# KiCad board FPGA_Board_BA.kicad_pcb (continued)
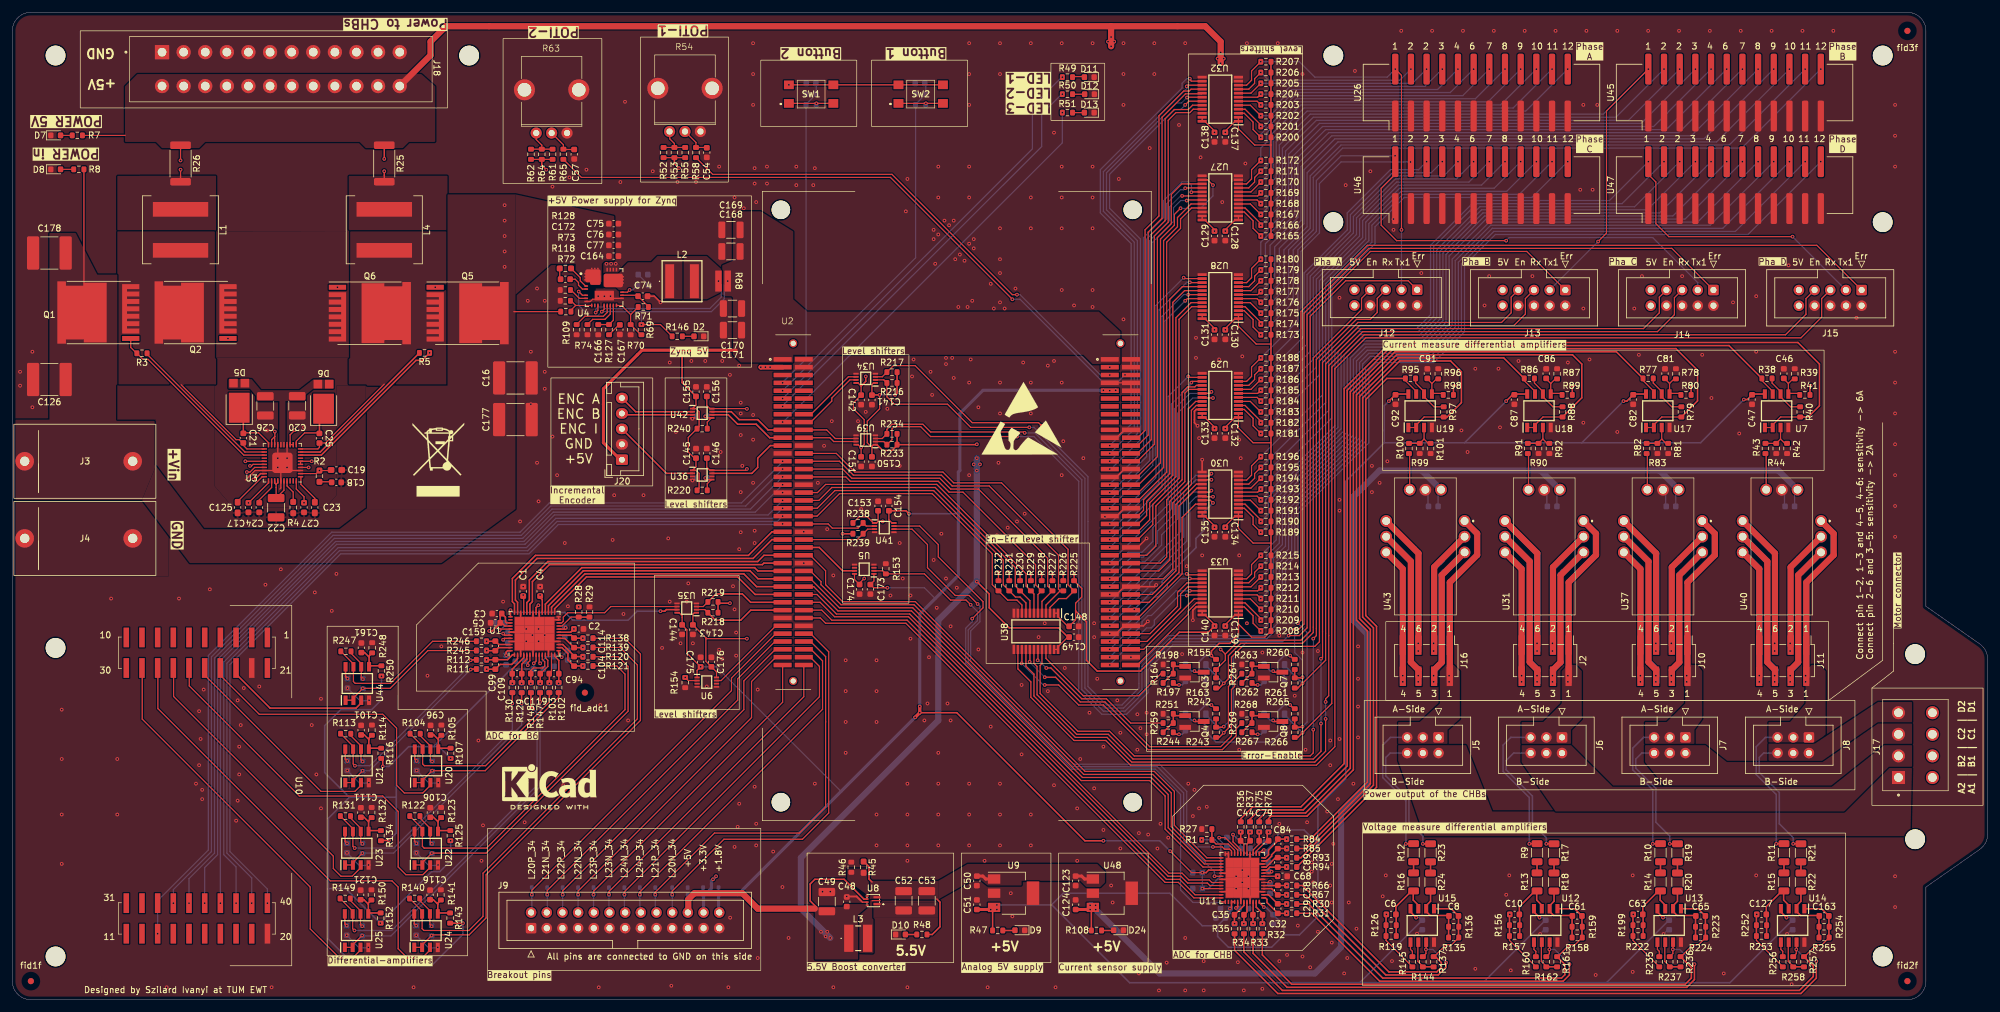
[diagram p0: board, top side]
## Nets (continued)
Net-(D5-A): C20.1 C26.1 D5.2 D6.2 U3.15 U3.16
Net-(D5-K): C21.1 D5.1 U3.20
Net-(D6-K): C25.1 D6.1 U3.11
Net-(D7-A): D7.2 R7.2
Net-(D8-A): D8.2 R8.2
Net-(D9-A): D9.2 R47.2
Net-(D10-A): D10.2 R48.2
Net-(D11-A): D11.2 R49.2
Net-(D12-A): D12.2 R50.2
Net-(D13-A): D13.2 R51.2
Net-(D24-A): D24.2 R108.2
Net-(D25-K): D25.1 R197.1
Net-(D26-K): D26.1 Q3.3
Net-(D27-K): D27.1 Q4.3
Net-(D28-K): D28.1 R244.1
Net-(D29-K): D29.1 Q7.3
Net-(D30-K): D30.1 R262.1
Net-(D31-K): D31.1 Q8.3
Net-(D32-K): D32.1 R267.1
Net-(L2-Pad1): L2.1 U4.20 U4.21 U4.22
Net-(Q3-G): Q3.1 R164.1 R197.2 R198.1
Net-(Q4-G): Q4.1 R244.2 R251.1 R259.1
Net-(Q7-G): Q7.1 R262.2 R263.1 R264.1
Net-(Q8-G): Q8.1 R267.2 R268.1 R269.1
Net-(R10-Pad2): R10.2 R14.1
Net-(R11-Pad2): R11.2 R15.1
Net-(R12-Pad2): R12.2 R16.1
Net-(R13-Pad1): R9.2 R13.1
Net-(R17-Pad2): R17.2 R18.1
Net-(R19-Pad2): R19.2 R20.1
Net-(R21-Pad2): R21.2 R22.1
Net-(R23-Pad2): R23.2 R24.1
Net-(R37-Pad2): R37.2 R38.1 U7.7
Net-(R52-Pad2): R52.2 R53.2 R54.1 R55.2
Net-(R56-Pad1): R56.1 SW1.1 SW1.2
Net-(R59-Pad1): R59.1 SW2.1 SW2.2
Net-(R61-Pad2): R61.2 R62.2 R63.1 R64.2
Net-(R76-Pad2): R76.2 R77.1 U17.7
Net-(R85-Pad2): R85.2 R86.1 U18.7
Net-(R94-Pad2): R94.2 R95.1 U19.7
Net-(R103-Pad2): R103.2 R104.1 U20.7
Net-(R112-Pad2): R112.2 R113.1 U21.7
Net-(R121-Pad2): R121.2 R122.1 U22.7
Net-(R130-Pad2): R130.2 R131.1 U23.7
Net-(R139-Pad2): R139.2 R140.1 U24.7
Net-(R144-Pad2): R67.2 R144.2 U15.7
Net-(R148-Pad2): R148.2 R149.1 U25.7
Net-(R162-Pad2): R31.2 R162.2 U12.7
Net-(R237-Pad2): R33.2 R237.2 U13.7
Net-(R246-Pad2): R246.2 R247.1 U44.7
Net-(R258-Pad2): R35.2 R258.2 U14.7
Net-(U1-Ain8+): R6.1 U1.48
Net-(U1-Ain8-): R110.1 U1.47
Net-(U1-REFOUT1): C12.2 U1.22
Net-(U1-REFOUT2): C13.2 U1.9
Net-(U1-REFOUT3): C14.2 U1.6
Net-(U1-REFOUT4): C15.2 U1.45
Net-(U1-~{SDR}/DDR): R28.1 R29.1 U1.23
Net-(U3-HO1): R3.2 U3.22
Net-(U3-HO2): R5.2 U3.9
Net-(U3-RES): C24.1 U3.32
Net-(U3-RT): R4.2 U3.37
Net-(U3-SS1): C125.1 U3.30
Net-(U3-SS2): C23.1 U3.1
Net-(U4-CONFIG): R109.2 U4.13
Net-(U4-En/UVLO): R72.2 R118.2 U4.9
Net-(U4-EXTCOMP): C166.2 R127.2 U4.15
Net-(U4-ISNS+): L2.2 R68.1 U4.11
Net-(U4-PG/SYNCOUT): R73.2 U4.7
Net-(U4-RT): R74.2 U4.14
Net-(U4-VCC): R117.1 U4.19
Net-(U4-VDDA): C74.1 R71.2 U4.18
Net-(U7A-+): R42.1 R43.2 R44.1 U7.3
Net-(U7A--): R36.2 R40.2 U7.1 U7.2
Net-(U7B-+): C46.1 R39.2 R41.1 U7.5
Net-(U7B--): R38.2 R40.1 U7.6
Net-(U8-FB): R45.2 R46.1 U8.4
Net-(U8-SW): L3.2 U8.2
Net-(U11-REFOUT1): C69.2 U11.22
Net-(U11-REFOUT2): C70.2 U11.9
Net-(U11-REFOUT3): C71.2 U11.6
Net-(U11-REFOUT4): C72.2 U11.45
Net-(U11-~{SDR}/DDR): R1.1 R27.1 U11.23
Net-(U12A-+): C10.1 R13.2 R156.1 R157.1 U12.3
Net-(U12A--): C61.1 R18.2 R158.1 R159.1 U12.2
Net-(U12B-+): R160.2 U12.5
Net-(U12B--): R161.2 R162.1 U12.6
Net-(U13A-+): C63.1 R14.2 R199.1 R222.1 U13.3
Net-(U13A--): C65.1 R20.2 R223.1 R224.1 U13.2
Net-(U13B-+): R235.2 U13.5
Net-(U13B--): R236.2 R237.1 U13.6
Net-(U14A-+): C127.1 R15.2 R252.1 R253.1 U14.3
Net-(U14A--): C163.1 R22.2 R254.1 R255.1 U14.2
Net-(U14B-+): R256.2 U14.5
Net-(U14B--): R257.2 R258.1 U14.6
Net-(U15A-+): C6.1 R16.2 R119.1 R126.1 U15.3
Net-(U15A--): C8.1 R24.2 R135.1 R136.1 U15.2
Net-(U15B-+): R145.2 U15.5
Net-(U15B--): R137.2 R144.1 U15.6
Net-(U17A-+): R81.1 R82.2 R83.1 U17.3
Net-(U17A--): R75.2 R79.2 U17.1 U17.2
Net-(U17B-+): C81.1 R78.2 R80.1 U17.5
Net-(U17B--): R77.2 R79.1 U17.6
Net-(U18A-+): R90.1 R91.2 R92.1 U18.3
Net-(U18A--): R84.2 R88.2 U18.1 U18.2
Net-(U18B-+): C86.1 R87.2 R89.1 U18.5
Net-(U18B--): R86.2 R88.1 U18.6
Net-(U19A-+): R99.1 R100.2 R101.1 U19.3
Net-(U19A--): R93.2 R97.2 U19.1 U19.2
Net-(U19B-+): C91.1 R96.2 R98.1 U19.5
Net-(U19B--): R95.2 R97.1 U19.6
Net-(U20A--): R102.2 R106.2 U20.1 U20.2
Net-(U20B-+): C96.1 R105.2 R107.1 U20.5
Net-(U20B--): R104.2 R106.1 U20.6
Net-(U21A--): R111.2 R115.2 U21.1 U21.2
Net-(U21B-+): C101.1 R114.2 R116.1 U21.5
Net-(U21B--): R113.2 R115.1 U21.6
Net-(U22A--): R120.2 R124.2 U22.1 U22.2
Net-(U22B-+): C106.1 R123.2 R125.1 U22.5
Net-(U22B--): R122.2 R124.1 U22.6
Net-(U23A--): R129.2 R133.2 U23.1 U23.2
Net-(U23B-+): C111.1 R132.2 R134.1 U23.5
Net-(U23B--): R131.2 R133.1 U23.6
Net-(U24A--): R138.2 R142.2 U24.1 U24.2
Net-(U24B-+): C116.1 R141.2 R143.1 U24.5
Net-(U24B--): R140.2 R142.1 U24.6
Net-(U25A--): R147.2 R151.2 U25.1 U25.2
Net-(U25B-+): C121.1 R150.2 R152.1 U25.5
Net-(U25B--): R149.2 R151.1 U25.6
Net-(U36-DIR): R220.2 R221.2 U36.5
Net-(U42-DIR): R240.2 R241.2 U42.5
Net-(U44A--): R245.2 R249.2 U44.1 U44.2
Net-(U44B-+): C161.1 R248.2 R250.1 U44.5
Net-(U44B--): R247.2 R249.1 U44.6

Pads without a net: U1 42; U2 81 82 a5 a6 a8 a10 a12 a14 a15 a49 b11 b12 b13 b14 b15 b16 b17 b18 b19 b51; U3 7 24 38 39; U4 10; U5 3 6; U6 3 6; U10 1 2 3 4 5 6 7 8 9 10 11 12 14 15 16 17 18 19 21 30 31 32 33; U11 42

## Via types
v1: diameter 0.6, hole 0.3, Top to Bottom, 1066 vias

## Routing (per net, layer and track width the routed paths; a pad name or vN(x,y) marks a point on that pad's centre or on a via; arc(x,y) is an arc through that point)
+1V8: length 315.6
  Top w0.2: 142,79.14 142,77.75 142.5,77.25 U41.8 ; v1(141.75,66.75) 139.52,66.75 C173.2 139.57,67.85 U5.1 ; C144.1 108.5,60.71 109.28,59.94 109.28,56.16 v1(111.5,53.94) 110.92,53.36 110.92,52.21 ; U1.37 82.85,65.29 C1.1 ; U11.37 192.78,17.99 v1(192.77,18) ; 108.5,60.82 108.5,62.21 108,62.71 U35.8 ; v1(192.77,20.58) 191.05,20.58 v1(187.57,24.07)
  Top w0.25: v1(147,46.5) 153,46.5 173.75,25.75 v1(176.75,25.75) ; 85.27,65.39 85.85,64.81 U1.31 ; v1(145.25,78.75) 144.77,79.23 C154.1 ; v1(192.77,20.58) 193.38,20.58 193.79,20.99 U11.31
  Top w0.5: v1(146.25,45.75) v1(147,46.5) v1(147,47.5)
  In2.Cu w0.2: v1(85.5,65.58) v1(82.75,65.58)
  In2.Cu w0.25: v1(111.5,53.94) 109.31,53.94 99.6,63.65 v1(91.75,63.65) 91.75,63.75 89.92,65.58 v1(85.5,65.58)
  Bottom w0.2: v1(192.77,18) 192.77,19.77 192.77,19.77 v1(192.77,20.58) ; v1(111.5,53.94) 114.06,53.94 134.25,33.75 ; 149.5,65 147.75,66.75 v1(141.75,66.75) ; 114.41,14.24 J9.26
  Bottom w0.25: v1(187.57,24.07) 185.89,25.75 v1(176.75,25.75) ; v1(145.25,78.75) 153.25,78.75 ; v1(192.77,18) 193.75,18 195.75,20 195.75,25 194.85,25.9 v1(192.68,25.9)
  Bottom w0.5: v1(178.74,98.75) 157.25,98.75 153.5,95 153.5,85.75 153.25,85.5 153.25,68.75 147,62.5 v1(147,46.5) 117.52,17.02 D4.1 114.41,14.24
  vias: v1(176.75,98.75) v1(177.79,98.69)
+3.3V: length 497.5
  Top w0.2: v1(119,86) 118.78,85.78 U36.8 113,85.78 112.5,86.28 112.5,87.67 ; 112.5,97.67 112.5,96.28 113,95.78 U42.8 118.97,95.78 v1(119,95.75) ; 137.5,98.05 137.5,99.44 137,99.94 U34.8 ; R230.1 v1(163.25,69) ; v1(141,77.5) 140.25,77.5 140.25,77.5 ; R229.1 v1(165,69) ; U6.8 114.08,53.11 C176.1 112.35,54.83 112.35,58.63 ; U29.23 U29.24 193.17,94.35 194.75,92.77 194.75,92.64 ; U27.23 U27.24 193.17,126.35 194.75,124.77 194.75,124.64 ; R227.1 v1(168.5,69) ; R232.1 v1(159.75,69.25) ; U39.8 137,89.94 137.5,89.44 ; v1(138,68.25) 137.25,67.5 C174.1 136.43,68.1 136.43,69 ; v1(119,58.5) 112.48,58.5 112.35,58.63 ; 140.25,77.5 140.25,79.14 ; 140.25,77.5 140,77.25 U41.1 139.5,77.25 138.5,78.25 137.17,78.25 R238.1 ; 194.75,76.64 194.75,76.77 193.17,78.35 U30.24 U30.23 ; 194.75,108.64 194.75,108.77 193.17,110.35 U28.24 U28.23 ; 194.75,140.64 194.75,140.77 193.17,142.35 U32.24 U32.23 ; v1(125.8,148.25) SW1.4 SW2.3 SW2.4 ; R226.1 v1(170.25,69) ; U38.2 U38.1 169.4,62.08 170.98,60.5 171.11,60.5 ; 110.25,60.82 110.25,62.46 110.5,62.71 U35.1 ; C142.1 136.25,96.72 136.25,95.75 138,94 138,90 v1(137.5,89.5) 137.5,89.44 ; 112.35,58.63 C143.2 ; C148.2 172.25,61.55 172.25,64.25 173.25,65.25 173.25,66.65 R225.1 v1(172,69) ; R228.1 v1(166.75,69) ; 137.5,89.44 137.5,88.05 ; 194.75,60.64 194.75,60.77 193.17,62.35 U33.24 U33.23 ; R231.1 v1(161.5,69.25)
  Top w0.25: v1(134.5,75.5) 134.5,75.5 R239.1 ; R218.1 R219.1 114.53,64.25 v1(116.25,64.25) ; v1(138.25,101) 138.25,100.19 137.5,99.44 ; v1(194.75,60.55) 193.75,59.55 189.05,59.55 182.75,53.25 175.75,53.25 174,55 174,61.25 172.25,63
  Top w0.75: U2.a3 121.26,102.5 v1(121.25,102.5)
  In2.Cu w0.2: v1(137.5,89.5) 141,86 v1(141,77.5) 141,75 139,73 139,71 ; 139,71 v1(134.5,75.5) ; 139,71 139,69.25 ; v1(138,68.25) 139,69.25 ; 139,69.25 v1(159.75,69.25) v1(161.5,69.25) 161.75,69 v1(172,69)
  In2.Cu w0.25: v1(138.25,101) 138.25,101.5 137.25,102.5 v1(122.75,102.5) ; 195.5,77.25 195.5,61.3 v1(194.75,60.55) ; 195.5,77.25 195.5,93.3 ; 195.5,77.25 194.75,76.5 v1(194.75,76.55) ; v1(194.75,140.55) 195.25,140.05 195.25,131.25 194.75,130.75 v1(194.75,124.55) v1(194.75,108.55) 194.75,102.5 ; 194.75,102.5 194.75,102.5 v1(177.79,102.5) ; 194.75,102.5 194.75,101.25 195.5,100.5 195.5,93.3 ; 119,64.25 v1(116.25,64.25) ; 195.5,93.3 v1(194.75,92.55) ; v1(121.25,102.5) 121.25,143.7 v1(125.8,148.25)
  In2.Cu w0.5: v1(122.75,102.5) v1(121.25,102.5) 121,102.5 119,100.5 v1(119,95.75) v1(119,86) v1(119,58.5) 119,25 v1(114,20) v1(113.5,19.5)
  Bottom w0.5: v1(114,20) v1(113.5,19.5) 113.25,19.25 113.25,18.06 112.21,17.02 D3.1 111.98,16.95 J9.24
  vias: v1(122,102.5)
+5V: length 975.6
  Top w0.2: v1(48.5,87.25) U3.6 U3.5 ; U34.1 139.5,99.94 139.25,99.69 139.25,98.05 ; U32.1 U32.2 ; U32.1 198.08,142.35 196.5,140.77 196.5,140.64 ; U32.1 198.63,141.12 201.25,138.5 203.9,138.5 ; 139.25,89.5 139.25,89.69 139.5,89.94 U39.1 ; 139.25,89.5 138.5,90.25 138.5,93.75 140.5,95.75 v1(140.5,98) ; 139.25,89.5 139.25,88.05 ; U30.1 198.63,76.37 201,74 203.9,74 ; U30.1 198.08,78.35 196.5,76.77 196.5,76.64 ; U30.1 U30.2 ; 196.5,108.64 196.5,108.77 198.08,110.35 U28.1 ; U38.23 U38.24 169.4,57.17 170.98,58.75 171.11,58.75 ; R7.1 18.27,140.06 ; 196.5,124.64 196.5,124.77 198.08,126.35 U27.1 U27.2 ; 203.9,90.25 201,90.25 198.63,92.62 U29.1 ; U29.1 U29.2 ; U29.1 198.08,94.35 196.5,92.77 196.5,92.64 ; v1(38.5,86.5) 38.75,86.5 39,86.75 U3.26 ; U28.1 198.63,109.12 201.5,106.25 203.9,106.25 ; U28.1 U28.2 ; 196.5,60.64 196.5,60.77 198.08,62.35 U33.1 ; U33.1 U33.2 ; U33.1 198.63,60.87 200.75,58.75 202.9,58.75 R208.1 203.9,59.6 ; v1(27.25,136) R26.1
  Top w0.25: v1(143,98) 143.32,98.33 R216.1 R217.1 ; 198.63,60.87 198.63,59.13 197.25,57.75 195.5,57.75 194.25,56.5 v1(194.25,55.75) 194.85,55.15 R155.1 ; R165.1 R172.1 R200.1 R207.1 ; v1(156.25,67.75) 158.25,65.75 158.25,63.5 161.5,60.25 169.5,60.25 171,58.75 C149.1 ; v1(140.5,98) 139.28,98 C141.2 ; R208.1 R215.1 R189.1 R196.1 R181.1 R188.1 R173.1 R180.1 ; v1(156.25,90) 156.19,89.94 R233.1 ; v1(207,47.75) 207.6,47.15 R265.1 ; R233.1 143.32,89.83 142.5,89 141,89 140.06,89.94 U39.1 ; R233.1 R234.1 ; R25.1 v1(60.25,136.25) ; v1(194.25,47.75) 194.85,47.15 R242.1 ; R260.1 207.6,55.15 v1(207,55.75) ; U8.5 137.95,16.3 134.75,19.5 130,19.5 129.25,18.75 129.25,16 130.25,15
  Top w1: J18.24 67.75,153.05 67.75,155.25 70.25,157.75 178,157.75 ; 178,157.75 v1(178,154.5) ; 178,157.75 193.25,157.75 195.75,155.25 v1(195.75,151.75) ; 130,14.75 120.75,14.75 118.25,17.25 110.5,17.25 109.5,16.25 109.5,14.19 109.44,14.13
  In2.Cu w0.2: v1(27.25,136) 27.75,135.5 28.82,135.5 33.48,130.84 33.5,88.75 33.5,88.5 35.5,86.5 v1(38.5,86.5) ; v1(48.5,87.25) 52.5,87.25 54,88.75 54,132.75 56.75,135.5 59.5,135.5 v1(60.25,136.25)
  In2.Cu w0.5: 196.5,106 v1(196.5,92.55) v1(196.5,76.55) v1(196.5,60.55)
  In2.Cu w1: 262.75,110.04 263,110.04 J14.10 J14.9 ; 262.75,110.04 287,110.04 J15.10 J15.9 ; 262.75,110.04 239,110.04 ; J12.10 214.96,110.04 239,110.04 ; J12.10 J12.9 ; J12.10 210.92,106 196.5,106 v1(196.5,108.55) v1(196.5,124.55) 196.5,126.75 197.5,127.75 197.5,135.5 196.5,136.5 v1(196.5,140.55) 196.5,141.38 195.75,142.12 v1(195.75,153.5) ; v1(178,156) 178,135.75 173.5,131.25 173.5,110.5 156.25,93.25 v1(156.25,90) v1(156.25,87.75) v1(156.25,85.75) ; 239,110.04 J13.10 J13.9
  Bottom w0.2: 109.44,14.13 109.41,14.16 D1.1
  Bottom w0.25: 193.25,47.75 v1(194.25,47.75) ; 193.25,47.75 192.25,46.75 192.25,45.5 193.35,44.4 D28.2 193.35,43.4 195,41.75 204,41.75 205.98,43.72 D32.2 206.1,44.4 205,45.5 205,46.75 206,47.75 ; 193.25,47.75 193.35,47.85 D25.2 193.35,52.4 192.25,53.5 192.25,54.75 193.25,55.75 v1(194.25,55.75) ; v1(143,98) v1(140.5,98) ; 206,47.75 v1(207,47.75) ; 206,47.75 206.1,47.85 D30.2 206.1,52.4 205,53.5 205,54.75 206,55.75 v1(207,55.75)
  Bottom w1: v1(132.5,10) 127.75,14.75 127.75,23 150,45.25 150,61.5 v1(156.25,67.75) v1(156.25,87.75)
  vias: v1(131,11) v1(131.75,10.25) v1(132,11) v1(155.75,86.75) v1(156.75,86.75) v1(177.5,155.25) v1(178.5,155.25) v1(195.25,152.5) v1(196.25,152.5)
+5V_Zynq: length 105.4
  Top w0.2: v1(95.5,111.5) 95.86,111.86 U4.12 ; 110.92,82.53 111.25,82.86 111.25,85.28 110.75,85.78 U36.1 110.75,86.36 110.75,87.67 ; C145.2 110.49,87.76 109.5,88.75 109.5,91.11 111.25,92.86 111.25,95.28 110.75,95.78 U42.1 110.75,96.36 110.75,97.67 ; v1(91.75,114.75) 92.35,114.15 U4.6 ; R146.1 104.99,109.4 v1(101.91,109.4)
  Top w0.25: 108.5,105.25 108.5,100 110.74,97.76 C155.2
  Top w0.5: J20.1 98.5,87.5 95.75,90.25 95.75,99 102,105.25 117.25,105.25
  Bottom w0.2: 101.75,111.5 101.91,111.34 v1(101.91,109.4) ; 101.75,111.5 v1(95.5,111.5) 94.75,110.75 93.5,110.75 91.75,112.5 v1(91.75,114.75) ; 101.75,111.5 113.25,111.5 115.35,113.6 115.35,115.85 115.89,116.39 v1(115.89,116.45)
+5VA: length 924.8
  Top w0.2: U11.15 202.01,23.73 202.52,24.25 v1(202.75,24.25) ; 84.02,136.18 87.52,136.18 ; U11.21 199.01,24.32 197.75,25.58 v1(197.75,26.75) ; R55.1 R52.1
  Top w0.25: v1(247.41,13.3) 246.5,14.21 U12.4 ; v1(261,97) 261.55,97 C82.1 262.69,98.14 264.66,98.14 ; v1(280.5,97.25) 281.05,97.25 C47.1 281.94,98.14 U7.8 ; U21.8 53.94,39 v1(54.25,38.69) ; R47.1 158.8,14.71 U9.3 ; U23.8 53.9,25.65 v1(54.21,25.34) ; U44.8 53.98,52.35 v1(54.29,52.04) ; U15.4 226.5,14.21 v1(227.41,13.3) ; v1(287.41,13.3) 286.5,14.21 U14.4 ; U22.8 65.15,25.65 v1(65.46,25.34) ; R53.1 107.25,135.5 v1(108,134.75) ; U1.52 80.23,56.55 80,56.33 v1(80,55.83) ; U25.8 53.86,12.3 v1(54.17,11.99) ; v1(223,97) 224.02,98.03 C92.1 224.19,98.14 226.16,98.14 ; v1(197.25,14.75) 197.51,15.01 U11.43 U11.44 ; U11.52 202.01,15.74 v1(202.75,15) ; C5.1 79.03,62.33 C3.1 79.88,61.97 79.88,61.24 80.07,61.05 U1.43 ; C5.1 79.28,61.08 79.8,60.55 U1.44 ; C5.1 79.03,61.03 77.75,59.75 v1(77.25,59.75) ; U18.8 243.44,98.14 C87.1 243.02,98.03 v1(242,97) ; v1(267.41,13.3) 266.5,14.21 U13.4 ; v1(65.42,11.99) 65.11,12.3 U24.8 ; v1(89,55.5) 88.5,56 U1.15 ; 85.77,136.18 85.77,135.23 v1(86.5,134.5) ; U20.8 65.19,39 v1(65.5,38.69) ; U1.21 90.45,59.55 v1(90.98,60.08)
  Top w0.5: U9.3 158.71,14.61 C51.1
  In2.Cu w0.25: 78.75,38.5 90,49.75 90,54.5 v1(89,55.5) 90.98,57.47 v1(90.98,60.08) ; v1(77.25,59.75) 77.25,64 89,75.75 112.5,75.75 117.25,80.5 117.25,101 120.5,104.25 120.5,127.5 116.25,131.75 108.25,131.75 ; 108.25,131.75 110,131.75 108,133.75 v1(108,134.75) ; 108.25,131.75 89.25,131.75 v1(86.5,134.5) ; 67.25,27 65.59,25.34 v1(65.46,25.34) ; 67.25,27 78.75,27 ; 67.25,27 55.88,27 v1(54.21,25.34) ; 68,41.25 65.5,38.75 v1(65.5,38.69) ; 68,41.25 78.75,41.25 ; 68,41.25 56.82,41.25 56.78,41.22 ; v1(54.29,52.04) 53.01,50.75 53.01,49.49 56.78,45.72 56.78,41.22 ; 56.78,41.22 v1(54.25,38.69) ; 67.19,13.75 55.94,13.75 v1(54.17,11.99) ; 67.19,13.75 75.75,13.75 ; 67.19,13.75 v1(65.42,11.99) ; 78.75,55.75 78.83,55.83 v1(80,55.83)
  In2.Cu w0.5: v1(159.5,15.35) 159.5,15 ; 159.5,15 v1(159.5,14.6) 159,14.6 ; 159.5,15 159.4,15 159,14.6 ; 159,14.6 v1(158.5,14.6) 158.1,14.6 147.5,4 79.75,4 75.75,8 75.75,19 78.75,22 78.75,57.5 77.25,59 v1(77.25,59.75)
  Bottom w0.2: C73.2 228.33,12.88 227.91,13.3 v1(227.41,13.3) ; v1(287.41,13.3) 287.91,13.3 288.33,12.88 C42.2 ; v1(267.41,13.3) 267.91,13.3 268.33,12.88 C41.2 ; v1(247.41,13.3) 247.91,13.3 248.33,12.88 C40.2
  Bottom w0.25: C41.2 268.38,12.88 258.25,2.75 ; v1(280.5,97.25) 273.5,90.25 254.25,90.25 ; 235.25,90.25 222.25,90.25 ; 235.25,90.25 254.25,90.25 ; 235.25,90.25 v1(242,97) ; 222.25,90.25 222.25,96.25 v1(223,97) ; 222.25,90.25 216,84 216,35.75 211.5,31.25 211.5,25 ; 203,24 C64.1 201.48,23.97 201,23.5 200,23.5 199,24.5 C66.1 198.98,25.53 v1(197.75,26.75) ; 203,24 205,26 205,26.75 205.75,27.5 209.25,27.5 211.5,25.25 211.5,25 ; 203,24 v1(202.75,24.25) ; 238.25,2.75 248.38,12.88 C40.2 ; 238.25,2.75 258.25,2.75 ; 238.25,2.75 218.25,2.75 ; 211.5,25 211.5,13.5 208.5,10.5 206,10.5 ; 218.25,2.75 181,2.75 168.4,15.35 168.25,15.35 ; 218.25,2.75 218.28,2.75 C73.2 ; v1(89,55.5) 89,55.6 C7.1 ; 195.25,11.97 192.77,11.97 187.5,17.25 170.25,17.25 168.35,15.35 168.25,15.35 ; 195.25,11.97 197.27,14 C60.1 v1(197.25,14.75) ; 195.25,11.97 195.25,10.25 197,8.5 204,8.5 206,10.5 ; 206,10.5 206,12.03 C58.1 203.02,15 v1(202.75,15) ; 254.25,90.25 v1(261,97) ; 258.25,2.75 278.25,2.75 288.38,12.88 C42.2 ; v1(158.5,14.6) v1(159.5,14.6) v1(159.5,15.35) 168.25,15.35
  Bottom w0.5: v1(158.5,14.6) 158.75,14.6 v1(159.5,15.35)
+5VA_2: length 229.3
  Top w0.25: R108.1 174.8,14.71 U48.3
  Top w0.5: U48.3 174.71,14.61 C124.1
  In2.Cu w1: v1(174.6,15.3) 174.6,15.35
  Bottom w0.2: U31.9 250.22,82.17 C136.2 ; U43.9 230.97,82.17 C157.2 ; C147.2 269.47,82.17 U37.9 ; U40.9 288.72,82.17 C152.2
  Bottom w1: 247.6,85.75 U31.9 ; 247.6,85.75 228.35,85.75 ; 247.6,85.75 266.85,85.75 ; 266.85,85.75 U37.9 ; 266.85,85.75 286.1,85.75 U40.9 ; 228.35,85.75 U43.9 ; 228.35,85.75 221.5,85.75 217.25,81.5 217.25,61.5 219.5,59.25 219.5,34.75 215.25,30.5 215.25,8.5 211,4.25 185.85,4.25 v1(175.5,14.6) 174.8,15.3 v1(174.6,15.3)
  vias: v1(174.6,14.6) v1(175.5,15.3)
/Analog Voltage/5.5V: length 17.2
  Top w0.25: R48.1 149.02,10.56 150.27,11.81 150.27,15.81 149.77,16.31 ; 139.27,19.06 138.77,19.56 138.77,21.56 137.96,22.37 R45.1
  Top w0.5: U48.1 173.7,19.55 173.23,20.03 C123.1 ; U9.1 157.7,19.55 157.23,20.03 C50.1
/Main_DCDC/Vin: length 43.3
  Top w0.2: 38.25,80.61 38.36,80.61 41.5,83.75 U3.31 ; Q1.3 11.6,112.82 R8.1 ; U3.40 46,82.75 47.25,81.5 47.25,80.61 ; R72.1 81.25,111.5 ; v1(37.75,87.25) U3.25
  Bottom w0.2: C17.1 v1(38.25,80.5)
  vias: v1(47.25,80.53) v1(79.75,128.75) v1(79.75,126.25) v1(79.75,123.75) v1(79.75,121.25) v1(79.75,118.75)
GND: length 163.3
  Top w0.2: v1(177.79,65.66) 178.88,65.66 180.14,66.94 U2.b60 ; U3.41 v1(43,87.75) U3.17 ; U3.41 42.5,85.75 U3.28 39.32,85.75 37.82,84.25 37.75,84.25 ; U3.41 45,85.75 U3.3 ; U3.41 v1(44.5,87.75) U3.14 ; U3.41 43.5,86.75 U3.35 43.5,82.92 43.33,82.75 ; v1(183.75,74.75) 182.29,73.28 U2.b50 ; U2.b31 178.86,84.72 180.12,85.99 U2.b30 ; U2.b70 180.05,60.59 178.78,59.31 v1(177.79,59.31) ; U2.b41 178.88,78.37 180.14,79.64 181.21,79.64 ; 137.5,16 137.7,15.8 U8.6 ; U2.b20 180.14,92.34 178.88,91.07 U2.b21 ; U2.b10 181.21,99.96 177.79,99.96 ; U2.b4 U2.b2 ; U4.8 93.65,113.15 94,113.5 95.31,113.5 U4.30 96.34,113.65 U4.17
  Top w0.25: v1(183.95,61.3) 183.24,60.59 U2.b70 ; U11.53 197.06,17.49 U11.38 ; v1(83.25,60.08) 82.73,59.55 U1.46 81.75,59.55 U1.53 ; U11.53 197.01,22.38 U11.25 U11.26 ; U1.7 84.35,56.72 U1.53 ; U11.53 200.51,16.75 U11.49 ; U11.53 201.84,19.49 U11.7 ; U11.53 200.51,22.74 U11.18 ; U1.53 84.35,61.89 U1.34 ; v1(191.25,61.5) 191.25,63.11 191.79,63.65 U33.22 ; U1.53 87.24,61.55 U1.25 U1.26 ; U1.38 82.35,61.5 U1.53 ; U11.53 201.45,21.99 U11.12 ; U11.53 201.45,17.49 U11.3 ; U1.53 87.59,58.05 U1.18 ; v1(185.3,67.2) 185.03,66.94 U2.b60 ; v1(192,93) 191.5,93.5 191.5,95.36 191.79,95.65 U29.22 ; U11.46 199.01,16.9 U11.53 ; U11.53 196.67,19.49 U11.34 ; U1.12 86.85,57.1 U1.53 ; U11.32 197.17,20.49 U11.53 ; C74.2 104,114 v1(105,113) ; U1.53 85.35,61.39 U1.32 ; U1.53 82.35,57.1 U1.3 ; U1.53 81.6,58.05 U1.49 ; U30.13 v1(192.75,87.5) ; 137.5,16 137.25,16.25
  Top w0.3: 137.25,16.25 136.77,16.72 v1(135.18,16.72)
  Bottom w0.2: v1(57.75,35.18) 57.67,35.1 56.25,35.1 54.89,36.46 54.89,36.5 v1(54.25,37.14) ; v1(287.5,10.64) 288.19,11.33 C42.1 ; v1(57.79,48.53) 57.71,48.45 56.29,48.45 54.93,49.81 54.93,49.85 v1(54.29,50.49) ; v1(65.5,37.14) 66.14,36.5 66.14,36.46 67.5,35.1 68.92,35.1 v1(69,35.18) ; C41.1 268.19,11.33 v1(267.5,10.64) ; C40.1 248.19,11.33 v1(247.5,10.64) ; U43.8 229.33,82.2 229.33,79.93 ; v1(57.67,8.48) 57.59,8.4 56.17,8.4 54.81,9.76 54.81,9.8 v1(54.17,10.44) ; C73.1 228.19,11.33 v1(227.56,10.69) 227.5,10.64 ; v1(68.96,21.83) 68.88,21.75 67.46,21.75 66.1,23.11 66.1,23.15 v1(65.46,23.79) ; v1(57.71,21.83) 57.63,21.75 56.21,21.75 54.85,23.11 54.85,23.15 v1(54.21,23.79) ; U31.8 248.58,82.2 248.58,79.93 ; 110.92,84.53 110.58,84.53 v1(110.17,84.13) ; 110.92,94.53 110.58,94.53 v1(110.17,94.13) ; v1(65.42,10.44) 66.06,9.8 66.06,9.76 67.42,8.4 68.84,8.4 v1(68.92,8.48) ; 267.83,79.93 267.83,82.2 U37.8 ; U40.8 287.08,82.2 287.08,79.93
  vias: v1(1.25,101.75) v1(1.25,99.5) v1(3.25,105) v1(3.25,96) v1(8,47) v1(8,39) v1(8,30) v1(8,22) v1(16,65) v1(17,39) v1(17,30) v1(25,2) v1(27,65) v1(29.75,35) v1(30.25,46.75) v1(30.25,38) v1(30.5,42.25) v1(30.75,34) v1(30.75,32.5) v1(31,50.25) v1(32,66.5) v1(36.25,29) v1(36.5,48.5) v1(36.5,32.25) v1(36.75,41) v1(36.75,36.5) v1(37,44.5) v1(37.5,50.5) v1(40,50.75) v1(41,67.25) v1(41.25,92.25) v1(42,2) v1(43,86.25) v1(43.5,69.75) v1(44.5,86.25) v1(47.25,92.75) v1(48.5,44.5) v1(49,66) v1(49.25,36.5) v1(50,48.75) v1(50,31) v1(51.75,63) v1(52.5,69) v1(65,2) v1(67.25,52.5) v1(69.5,57.25) v1(75.5,42) v1(76,22.5) v1(76.25,28.25) v1(79.5,64.5) v1(82.25,77.5) v1(82.75,66.94) v1(83,28.75) v1(83.25,58.08) v1(83.25,35.25) v1(83.5,113.25) v1(84,105) v1(84,96.5) v1(84.25,59.08) v1(85,115.25) v1(85,87) v1(85.25,80.75) v1(85.25,60.08) v1(85.25,58.08) v1(85.5,66.94) v1(86.25,113.25) v1(86.25,101.75) v1(86.25,99) v1(86.25,59.08) v1(87.5,131.75) v1(87.5,91.25) v1(88.25,85) v1(89.25,34.75) v1(89.5,74) v1(90,63.75) v1(90.25,133.25) v1(93,134.5) v1(94.9,114) v1(95,2) v1(95.25,47.75) v1(95.9,114) v1(96.25,119.25) v1(96.9,114) v1(97,119.25) v1(97.25,74.5) v1(97.5,81.75) v1(97.75,119.25) v1(98.5,132.5) v1(99,62.5) v1(99.25,145.5) v1(99.75,45.25) v1(102.25,81.75) v1(103.75,134.25) v1(105.25,57) v1(106.25,74.75) v1(106.5,103.25) v1(106.5,64.5) v1(106.75,2.25) v1(107.5,92) v1(107.75,132.5) v1(108.25,57.75) v1(109.25,64.5) v1(109.5,67.46) v1(110,103.5) v1(110.25,57.75) v1(110.75,132.5) v1(112.25,103.5) v1(112.5,50.75) v1(114.5,135) v1(114.5,56.71) v1(114.75,88.75) v1(115,103.5) v1(115,55.21) v1(116,2) v1(116.25,101.25) v1(116.28,13.28) v1(116.75,67) v1(117,130) v1(117,63.25) v1(117,24.75) v1(117.25,59.5) v1(117.25,55.75) v1(117.5,28) v1(117.75,102.75) v1(117.75,73) v1(117.75,31.75) v1(118,96.75) v1(118,95) v1(118,91.5) v1(118,82.25) v1(118,75.75) v1(118.25,86.5) v1(118.5,128.25) v1(120,155) v1(120,150) v1(120,145) v1(120,94.75) v1(120,90.75) v1(120,83.75) v1(120.25,134.75) v1(120.25,132.25) v1(120.25,76) v1(120.25,74) v1(120.25,34.5) v1(120.5,129.25) v1(120.5,28.5) v1(120.5,25) v1(120.75,50.25) v1(120.75,6.75) v1(122.25,135) v1(122.25,132.25) v1(123.25,24) v1(124.79,82.18) v1(124.75,18.25) v1(125.75,10) v1(127,135) v1(127,132) v1(128.21,75.83) v1(128.21,70.75) v1(129.75,132) v1(130,134.75) v1(130,35) v1(130.5,83.75) v1(131.25,17.5) v1(131.5,89.75) v1(132,76.25) v1(132.5,17.5) v1(132.75,93.75) v1(133,68.75) v1(133,2) v1(135,55) v1(135,50) v1(135,45) v1(135,40) v1(137,93.75) v1(137.5,79.5) v1(138.25,95.25) v1(140,55) v1(140,50) v1(140,45) v1(140,30) v1(140,25) v1(141.75,95.75) v1(142.25,65.5) v1(143.75,86.5) v1(143.75,74) v1(144.25,68.25) v1(144.75,127.75) v1(145,133) v1(145,35) v1(145,30) v1(145,25) v1(145,22.5) v1(145,2) v1(145.5,65.5) v1(145.5,58.5) v1(145.75,101) v1(146,103.75) v1(147.75,45.25) v1(148.25,48) v1(148.5,55.5) v1(148.75,101.75) v1(149,98) v1(149.25,124.75) v1(149.25,123.25) v1(149.25,71.25) v1(149.5,119.25) v1(149.75,63.5) v1(150,135) v1(150,130) v1(150,124) v1(150,40) v1(150,35) v1(150,30) v1(150,25) v1(150.5,75.5) v1(151,126.25) v1(151.25,104) v1(151.25,103) v1(151.25,68.25) v1(151.5,48) v1(151.75,125.5) v1(152,60.5) v1(152,45.25) v1(152.25,104) v1(152.5,126.25) v1(152.5,100.75) v1(152.75,120) v1(153,66.75) v1(153.25,112.25) v1(153.5,120.75) v1(154.25,119.75) v1(154.75,112.25) v1(155,155) v1(155,150) v1(155,145) v1(155,135) v1(155,130) v1(155,122.5) v1(155,100) v1(155,85) v1(155,35) v1(155,30) v1(155,25) v1(155.25,103.75) v1(155.5,113.25) v1(155.75,123.25) v1(155.75,121.75) v1(156.5,96) v1(156.5,56.75) v1(157.5,22.5) v1(158,2) v1(158.5,116) v1(158.5,44.25) v1(159,112) v1(159.5,75.25) v1(159.75,87) v1(160,155) v1(160,150) v1(160,125) v1(160,120) v1(160,117.75) v1(160,113) v1(160,100) v1(160,95) v1(160,35) v1(160,30) v1(160,25) v1(160.75,112) v1(161.25,76.5) v1(161.75,17.25) v1(162,13.5) v1(162.5,115.25) v1(162.75,77.5) v1(163.5,51) v1(163.5,39.75) v1(163.75,103.25) v1(164,78.75) v1(165,155) v1(165,130) v1(165,125) v1(165,100) v1(165,95) v1(165,30) v1(165,25) v1(165.5,89) v1(166.25,58.75) v1(167.25,61) v1(167.75,102.75) v1(167.75,50) v1(168.75,140.5) v1(168.75,103.5) v1(168.75,34.75) v1(169,2) v1(170,155) v1(170,135) v1(170,130) v1(170,125) v1(170,115) v1(170,100) v1(170,85) v1(170.25,90.5) v1(170.5,53.75) v1(172,112.5) v1(172.5,31) v1(172.5,22.5) v1(173,39) v1(173.5,87.75) v1(174.5,46.5) v1(175,155) v1(175,135) v1(175,130) v1(175,125) v1(175,115) v1(175,112.25) v1(175.25,61) v1(175.25,58.75) v1(175.25,34.25) v1(175.75,52) v1(176.75,41) v1(176.75,27.5) v1(177,78.25) v1(178,18.5) v1(178.25,15.75) v1(179,48.5) v1(179.25,133) v1(179.5,43.25) v1(179.5,24.5) v1(180,155) v1(180,150) v1(180,145) v1(180,110.25) v1(180.5,5.5) v1(181.21,55.5) v1(182.25,46.25) v1(182.25,40.5) v1(182.5,27) v1(182.5,4.25) v1(182.75,44) v1(183.75,46.5) v1(183.75,43) v1(184,26.75) v1(184.25,138) v1(185,155) v1(185,150) v1(185.5,24.5) v1(185.75,1.5) v1(186,28.5) v1(187,6) v1(187.25,26.25) v1(189,141.75) v1(189.5,56) v1(190,155) v1(190,10) v1(190,1.5) v1(190.25,70.25) v1(190.5,35) v1(191.25,29.75) v1(191.5,34) v1(191.75,107.25) v1(191.75,104) v1(192.25,91) v1(192.25,31) v1(192.5,136.5) v1(192.75,72) v1(193,6.25) v1(193,1.5) v1(193.5,31.25) v1(195.5,103.75) v1(196,129.25) v1(198.25,20) v1(198.25,18) v1(198.54,6.07) v1(198.75,90.75) v1(198.75,72) v1(198.75,40.5) v1(199,87.75) v1(199.25,104.25) v1(199.25,21) v1(199.25,19) v1(199.5,1.5) v1(199.75,135.5) v1(200,155) v1(200.25,20) v1(200.25,18) v1(202.5,56.25) v1(202.5,1.75) v1(205,155) v1(205.25,59) v1(205.25,28.5) v1(205.25,6.25) v1(206.5,7.25) v1(207.75,49.25) v1(208.25,12) v1(209,150) v1(209,56.25) v1(209,7) v1(209.5,40.5) v1(209.75,28.75) v1(210.25,5.25) v1(210.5,22.25) v1(210.5,20.75) v1(210.75,19) v1(211.5,56.5) v1(211.5,11) v1(213,30.5) v1(213.5,42) v1(213.5,38) v1(213.5,18.5) v1(213.75,22) v1(213.75,15.75) v1(213.75,9.25) v1(214,25.25) v1(214.75,32.5) v1(215,113.75) v1(215,81) v1(215,79.25) v1(215,42.25) v1(215.75,4.25) v1(216,132) v1(216.25,6.75) v1(216.5,15.75) v1(217.25,35) v1(217.5,150.5) v1(217.75,11.5) v1(218,57.25) v1(218,52) v1(218,47.5) v1(218,42.5) v1(220,134.25) v1(220.25,86.5) v1(220.25,82.25) v1(221.5,83.75) v1(222,16.75) v1(222.5,20.14) v1(222.75,87.25) v1(223.5,6.25) v1(223.75,126.5) v1(223.75,124.75) v1(225,157) v1(228.25,117.75) v1(230,157) v1(234.75,92.25) v1(235,157) v1(235.75,88.75) v1(237,102.25) v1(237,5) v1(238.5,112.5) v1(239.25,117.25) v1(240,157) v1(240.75,102.25) v1(241,92.75) v1(242,17) v1(242.5,20.14) v1(242.75,4.75) v1(244,103.5) v1(245,157) v1(246.25,117.25) v1(250,157) v1(252,103.25) v1(254,131.25) v1(254.5,145) v1(254.5,112) v1(254.5,93.5) v1(255,157) v1(255.5,103.75) v1(256,131.25) v1(256.5,4) v1(256.75,145) v1(260,157) v1(260,92) v1(262.5,20.14) v1(262.5,4.5) v1(262.75,112) v1(263.5,104.5) v1(264,117.25) v1(265,157) v1(270,157) v1(270.5,117.25) v1(273.75,104.5) v1(275,157) v1(275.25,97.5) v1(277.25,4.25) v1(278.75,113) v1(279.75,91.75) v1(280,157) v1(282.5,114) v1(282.5,105) v1(282.5,20.14) v1(285,157) v1(287.75,119) v1(288.25,2.5) v1(290,157) v1(295,157) v1(298.75,110.5) v1(305,145) v1(305,140) v1(305,135) v1(305,105) v1(305,100) v1(305,95) v1(305,90) v1(305,85) v1(305,80) v1(305,75) v1(305,70) v1(305,65) v1(305,20) v1(305,15)
